# Altium PCB MB1720.PcbDoc (part 3 of 3)
Units mm, origin at the board's own origin, x right, y up, seen from the top; angles counter-clockwise.
Board outline 62.41 x 34.1 mm, 4 copper layers (Top Layer, MidLayer 1, MidLayer 2, Bottom Layer), stack 1.594 mm thick; 78 components, 65 nets, 237 pads, 1423 vias.
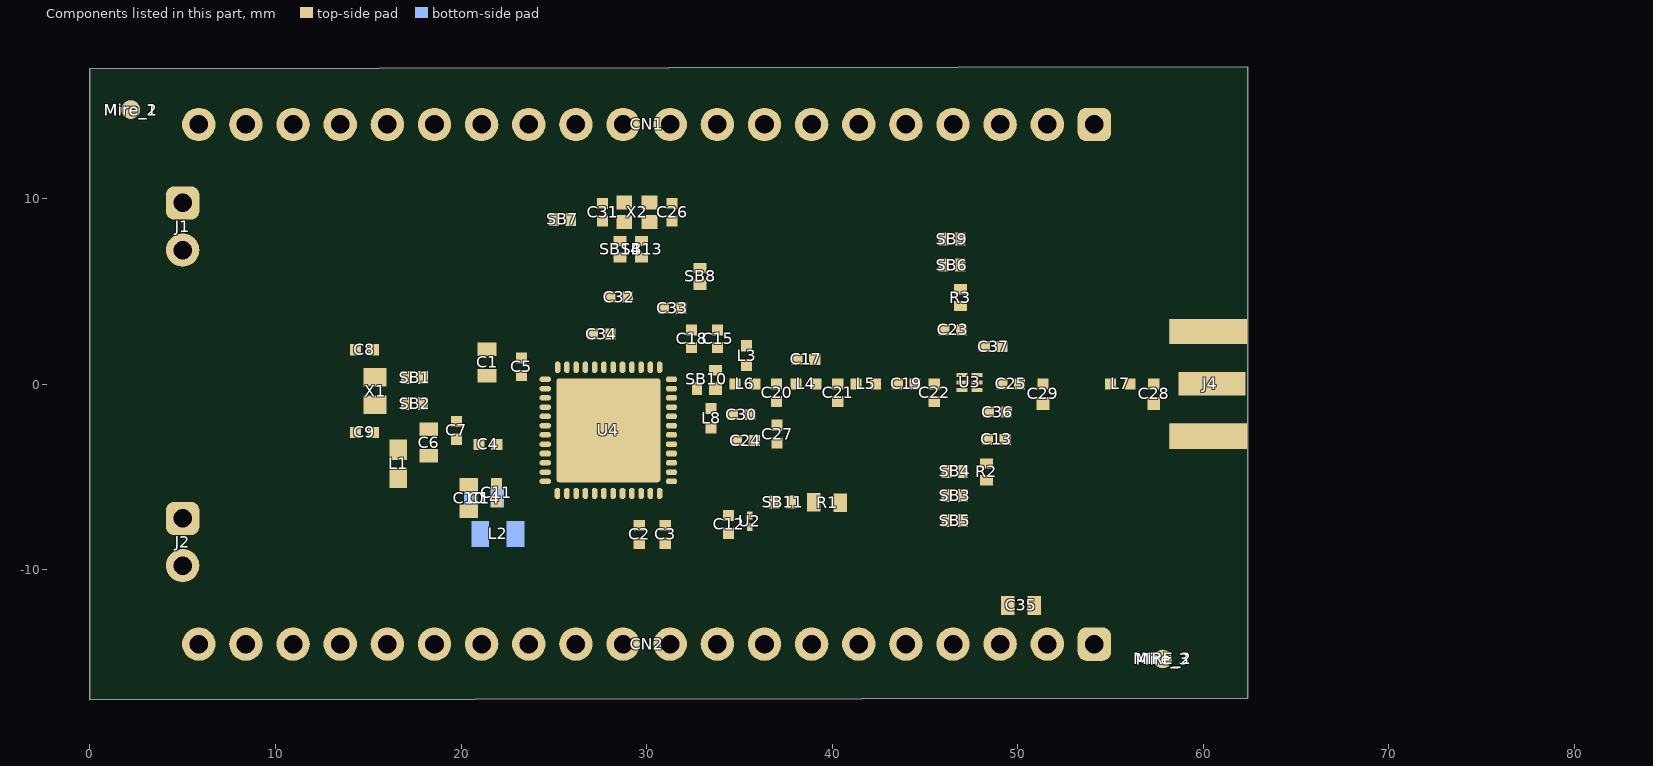
[diagram p5: the components of this part, seen from the top]

## Silkscreen, mask and mechanical layers (free items; w line width, h text height) (continued)
Top Solder:
  lines w1.5: 16.451,-9.862 12.622,-9.862 12.629,11.36 17.197,11.359 ; 16.984,11.359 53.229,11.359 53.229,1.467 ; 27.292,-9.862 32.663,-9.862 ; 35.046,-9.856 39.783,-9.858 ; 43.325,-9.858 44.875,-9.858 ; 47.304,-9.862 53.228,-9.862 ; 53.228,-9.873 53.228,-1.478
  lines w2: 12.908,-8.547 13.872,-9.511 ; 12.926,10.11 13.89,11.074 ; 51.888,11.096 52.852,10.132 ; 52.191,-9.531 52.973,-8.415
M1-Board Shape:
  the board outline again, w0.3

## Text inside footprints (layer, text, board x,y; h text height)
CN1: Top Overlay "1" at 56.066,13.624 h1.5; M15-Bottom Assembly "1" at 56.416,13.619 h1.5; Bottom Overlay "1" at 56.416,13.619 h1.5
CN2: Top Overlay "1" at 55.9,-14.434 h1.5; M15-Bottom Assembly "1" at 56.416,-14.381 h1.5; Bottom Overlay "1" at 56.416,-14.381 h1.5
HW1: Bottom Overlay "RoHS" at 54.45,-8.7 h1.5; Bottom Overlay "COMPLIANT" at 54.55,-10.2 h1.5; Bottom Overlay "2002/95/EC" at 54.475,-11.525 h1.5
J1: Top Overlay "1" at 4.6,11.85 h1.5 r270; M14-Top Assembly "1" at 3.15,10.05 h1.25
J2: Top Overlay "1" at 4.55,-5.25 h1.5 r270; M14-Top Assembly "1" at 3.15,-6.9 h1.25
J4: M10-Bottom Stiffener "Edge of PCB" at 63.195,-1.975 h0.8 r90
U2: Top Overlay "K" at 35.219,-6.153 h1.1 r270; M14-Top Assembly "K" at 35.113,-6.282 h1.25 r270